# Altium PCB CATS-FAT_1..PcbDoc (part 2 of 2)
Units mil, origin at the board's own origin, x right, y up, seen from the top; angles counter-clockwise.
Board outline 3937.01 x 1299.21 mil, 4 copper layers (Top Layer, Mid Layer 1, Mid Layer 2, Bottom Layer), stack 61.811 mil thick; 165 components, 101 nets, 634 pads, 77 vias.
Unrouted connection lines stored in the file: 168.
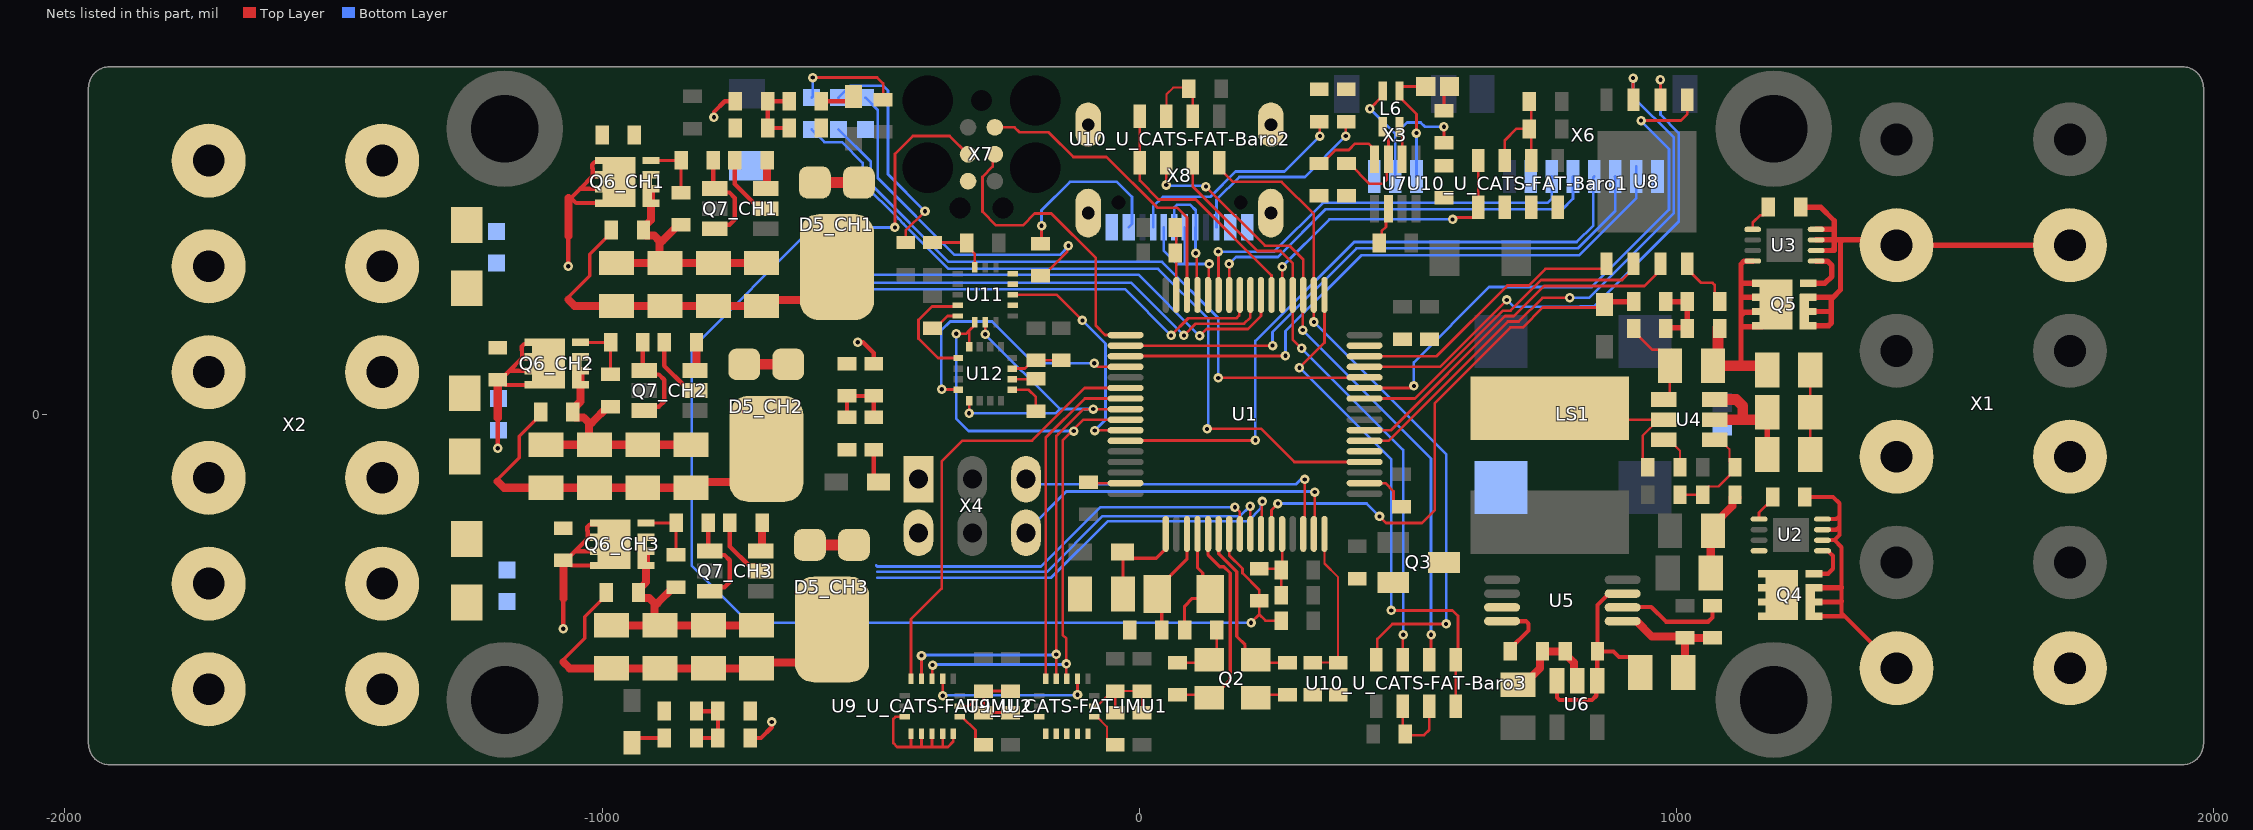
[diagram p2: the nets of this part, all layers, seen from the top]

## Via types
v1: diameter 17.72, hole 7.87, Top Layer to Bottom Layer, 77 vias

## Nets (pads, with @x,y where several pads share a name; then routed paths per layer and width w, separated by ;. In a path a pad name is that pad's centre, name@x,y a point inside that pad or via, vN(x,y) a via of type N, cw(c..) or ccw(c..) an arc to the next point about the centre after c; other vN are vias at no path point) (continued)
CS_BARO1: U1.37 U10_U_CATS-FAT-Baro1.4 U10_U_CATS-FAT-Baro1.5 | length 555.9
  Top Layer w5: U1.37@265.75,222.44 265.87,222.57 265.87,274.87 v1(266,275) ; v1(583,363) 586.44,363 590.11,366.67 621.59,366.67 630.91,375.98 U10_U_CATS-FAT-Baro1.5@630.91,385.83 U10_U_CATS-FAT-Baro1.4@630.91,472.44
  Bottom Layer w5: v1(266,275) 354,363 v1(583,363)
CS_BARO2: U1.38 U10_U_CATS-FAT-Baro2.4 U10_U_CATS-FAT-Baro2.5 | length 474.6
  Top Layer w5: U10_U_CATS-FAT-Baro2.4@0.98,555.12 U10_U_CATS-FAT-Baro2.5@0.98,468.5 0.98,435.02 36,400 105,400 246.06,258.94 U1.38@246.06,222.44
CS_BARO3: U1.33 U10_U_CATS-FAT-Baro3.4 U10_U_CATS-FAT-Baro3.5 | length 975.7
  Top Layer w5: v1(298,87) 344.49,133.49 U1.33@344.49,222.44 ; v1(469,-365) 583,-365 593,-375 593,-452.51 U10_U_CATS-FAT-Baro3.5@588.82,-456.69 U10_U_CATS-FAT-Baro3.4@588.82,-543.31
  Bottom Layer w5: v1(298,87) 469,-84 v1(469,-365)
CS_IMU1: U1.55 U9_U_CATS-FAT-IMU1.5 | length 627.7
  Top Layer w5: U9_U_CATS-FAT-IMU1.5@-174.37,-492.13 -174.37,-43.46 -101.38,29.53 U1.55@-25.59,29.53
CS_IMU2: U1.54 U9_U_CATS-FAT-IMU2.5 | length 827.1
  Top Layer w5: U9_U_CATS-FAT-IMU2.5@-425.2,-492.13 -425.2,-381.2 -368,-324 -368,-88 -329,-49 -200,-49 -101.79,49.21 U1.54@-25.59,49.21
CS_MAG: U1.52 U12.4 | length 526
  Top Layer w5: v1(-368,47) -367.45,46.45 -337.83,46.45 U12.4@-337.28,45.91 ; v1(-84,95) -77.58,88.58 U1.52@-25.59,88.58
  Bottom Layer w5: v1(-368,47) -369,48 -369,156 -352,173 -274,173 -196,95 v1(-84,95)
GND: C1.1 C2.1 C3.1 C4.1 C5.1 C6.1 C7.1 C8.1 C9.1 C10.1 C11.1 C12.1 C13.1 C14.1 C15.1 C16.1 C17.1 C19.1 C22.1 C23.1 C24.1 C25.1 C26.1 C27.1 C28.1 C29.1 C30.1 C31_CH1.1 C31_CH2.1 C31_CH3.1 C32_CH1.1 C32_CH2.1 C32_CH3.1 C33_CH1.1 C33_CH2.1 C33_CH3.1 C34_CH1.1 C34_CH2.1 C34_CH3.1 C35_CH1.1 C35_CH2.1 C35_CH3.1 C36.1 C37.1 C38.1 C39.1 C40_U_CATS-FAT-IMU1.1 C40_U_CATS-FAT-IMU2.1 C41_U_CATS-FAT-IMU1.1 C41_U_CATS-FAT-IMU2.1 C42_U_CATS-FAT-IMU1.1 C42_U_CATS-FAT-IMU2.1 C43_U_CATS-FAT-IMU1.1 C43_U_CATS-FAT-IMU2.1 C44_U_CATS-FAT-Baro1.1 C44_U_CATS-FAT-Baro2.1 C44_U_CATS-FAT-Baro3.1 C45.1 C46.1 C47.1 C48.1 C49.1 C50.1 JP1.1 P3.K P4_CH1.K P4_CH2.K P4_CH3.K Q2.3 Q3.S Q6_CH1.S Q6_CH2.S Q6_CH3.S Q7_CH1.3 Q7_CH2.3 Q7_CH3.3 R1.1 R6.1 R10.1 R11.1 R13.1 R17_CH1.1 R17_CH2.1 R17_CH3.1 R19_CH1.1 R19_CH2.1 R19_CH3.1 R20_CH1.1 R20_CH2.1 R20_CH3.1 R21_CH1.1 R21_CH2.1 R21_CH3.1 R23.1 R24.1 R25.2 R27.1 S2.2 U1.12 U1.18 U1.31 U1.47 U1.63 U2.5 U3.5 U4.4 U5.3 U5.5 U6.2 U7.2 U8.4 U9_U_CATS-FAT-IMU1.8 U9_U_CATS-FAT-IMU1.9 U9_U_CATS-FAT-IMU1.10 U9_U_CATS-FAT-IMU1.11 U9_U_CATS-FAT-IMU1.12 U9_U_CATS-FAT-IMU1.13 U9_U_CATS-FAT-IMU1.15 U9_U_CATS-FAT-IMU2.8 U9_U_CATS-FAT-IMU2.9 U9_U_CATS-FAT-IMU2.10 U9_U_CATS-FAT-IMU2.11 U9_U_CATS-FAT-IMU2.12 U9_U_CATS-FAT-IMU2.13 U9_U_CATS-FAT-IMU2.15 U10_U_CATS-FAT-Baro1.2 U10_U_CATS-FAT-Baro1.3 U10_U_CATS-FAT-Baro2.2 U10_U_CATS-FAT-Baro2.3 U10_U_CATS-FAT-Baro3.2 U10_U_CATS-FAT-Baro3.3 U11.5 U11.10 U11.12 U11.13 U11.16 U12.9 U12.11 X1.3 X3.1 X4.1 X4.2 X6.2 X6.8 X7.5 X8.A1B12 X8.B1A12 X8.G1 X8.G2 X8.G3 X8.G4 | length 5032.1
  Top Layer w4: U9_U_CATS-FAT-IMU1.15@-83.82,-543.31 -78.9,-543.31 -61.09,-525.5 -55.5,-525.5 C41_U_CATS-FAT-IMU1.1@-45,-515 ; C43_U_CATS-FAT-IMU1.1@-45,-555 C41_U_CATS-FAT-IMU1.1@-45,-515 ; C40_U_CATS-FAT-IMU1.1@5,-555 C42_U_CATS-FAT-IMU1.1@5,-515 C41_U_CATS-FAT-IMU1.1@-45,-515 ; U10_U_CATS-FAT-Baro2.3@50.2,555.12 50.2,595.47 62.99,608.27 90.08,608.27 C44_U_CATS-FAT-Baro2.1@92.05,606.3 99.41,598.94 U10_U_CATS-FAT-Baro2.2@99.41,555.12
  Top Layer w5: U9_U_CATS-FAT-IMU2.8@-437.01,-562.99 -453.99,-562.99 -458,-567 -458,-612 -451,-619 -385.83,-619 ; -425.2,-618 U9_U_CATS-FAT-IMU2.9@-425.2,-594.49 ; -405.51,-617.13 U9_U_CATS-FAT-IMU2.10@-405.51,-594.49 ; U9_U_CATS-FAT-IMU2.11@-385.83,-594.49 -385.83,-619 ; C45.1@-385,160 -380,160 -356.77,183.23 U11.5@-337.83,183.23 ; C46.1@-385,320 -322.76,320 C47.1@-321.65,318.9 -321.65,313.9 -306.34,298.58 U11.16@-306.34,273.78 ; U9_U_CATS-FAT-IMU2.12@-366.14,-594.49 -366,-594.63 -366,-616.61 ; U9_U_CATS-FAT-IMU2.13@-346.46,-594.49 -346.46,-609.25 -356.2,-619 -385.83,-619 ; U9_U_CATS-FAT-IMU2.15@-334.65,-543.31 -318.31,-543.31 -305,-530 -305,-525 -295,-515 C41_U_CATS-FAT-IMU2.1@-290,-515 ; C40_U_CATS-FAT-IMU2.1@-240,-555 C43_U_CATS-FAT-IMU2.1@-290,-555 C41_U_CATS-FAT-IMU2.1@-290,-515 ; C42_U_CATS-FAT-IMU2.1@-240,-515 C41_U_CATS-FAT-IMU2.1@-290,-515 ; U12.9@-236.89,45.91 -206.38,45.91 -192.6,32.13 C50.1@-192.6,6.06 ; U12.11@-236.89,85.28 -212.87,85.28 -197.6,100.55 C49.1@-192.6,100.55 C48.1@-145.35,100.55 ; C6.1@-94.49,-125.98 -92.52,-127.95 U1.63@-25.59,-127.95 ; C3.1@66.93,347.95 68.9,345.98 U1.47@68.9,222.44 ; C11.1@70.87,-462.13 124.49,-462.13 Q2.3@129.92,-456.69 144.17,-442.44 C10.1@144.17,-401.57 ; Q2.3@216.54,-527.56 221.97,-522.13 C12.1@275.59,-522.13 ; C13.1@223.13,-287.07 263.94,-287.07 C7.1@264,-287.01 ; C8.1@264,-336.76 C7.1@264,-289.51 C7.1@264,-287.01 ; U1.12@265.75,-222.44 265.75,-285.26 C7.1@264,-287.01 ; U1.18@419.29,-127.95 457.95,-127.95 473.19,-143.19 473.19,-161.73 483.19,-171.73 C4.1@488.19,-171.73 ; C38.1@446.38,318.9 451,323.52 451,341 459,349 459,378.29 U7.2@463.58,382.87 ; U10_U_CATS-FAT-Baro3.2@490.39,-543.31 490.39,-590.39 C44_U_CATS-FAT-Baro3.1@495,-595 497,-597 530,-597 539.61,-587.39 U10_U_CATS-FAT-Baro3.3@539.61,-543.31 ; U10_U_CATS-FAT-Baro1.3@680.12,472.44 680.12,510.12 701.5,531.5 C44_U_CATS-FAT-Baro1.1@725.91,531.5 ; C39.1@725.91,582.68 729.33,579.25 U10_U_CATS-FAT-Baro1.2@729.33,472.44 ; R10.1@920,160 920,155 954.45,120.55 967.56,120.55 987.56,100.55 C22.1@987.56,90.55 987.56,38.74 U4.4@976.38,27.56 ; U8.4@1019.88,280.51 1019.88,271.06 1045.95,245 1067,245 1071,241 1071,219 C25.1@1080,210 ; U3.5@1141.73,344.49 1141.73,356.77 1155.79,370.83 1160.79,370.83 1170.79,380.83 C17.1@1170.79,385.83 ; U2.5@1153.54,-194.88 1153.54,-182.46 1167.46,-168.54 1168.66,-168.54 1176.69,-160.51 C14.1@1176.69,-151.57 ; C15.1@1248.66,-74.8 C16.1@1248.66,3.94 C19.1@1248.66,82.68
  Top Layer w15: C31_CH2.1@-1104.35,-56.54 C32_CH2.1@-1014.35,-56.54 ; Q6_CH2.S@-1047.06,80.98 -1040.43,80.98 -1040.06,80.61 Q6_CH2.S@-1040.06,54.84 -1040.06,23.7 -1054.35,9.41 R17_CH2.1@-1054.35,4.41 -1054.35,-0.59 -1049.35,-5.59 -1034.35,-5.59 -1024.35,-15.59 ; R19_CH2.1@-984.35,14.41 -989.35,14.41 -1019.35,-15.59 -1024.35,-15.59 ; C31_CH3.1@-982.3,-392.6 C32_CH3.1@-892.3,-392.6 ; C31_CH1.1@-972.99,282.02 C32_CH1.1@-882.99,282.02 ; Q6_CH3.S@-925.01,-255.09 -918.38,-255.09 -918.01,-255.45 Q6_CH3.S@-918.01,-281.22 -918.01,-312.36 -932.3,-326.65 R17_CH3.1@-932.3,-331.65 -932.3,-336.65 -927.3,-341.65 -912.3,-341.65 -902.3,-351.65 ; Q6_CH1.S@-915.7,419.53 -909.07,419.53 -908.7,419.16 Q6_CH1.S@-908.7,393.39 -908.7,362.25 -922.99,347.96 R17_CH1.1@-922.99,342.96 -922.99,337.96 -917.99,332.96 -902.99,332.96 -892.99,322.96 ; R19_CH3.1@-862.3,-321.65 -867.3,-321.65 -897.3,-351.65 -902.3,-351.65 ; R19_CH1.1@-852.99,352.96 -857.99,352.96 -887.99,322.96 -892.99,322.96 ; C34_CH2.1@-834.35,-56.54 C33_CH2.1@-924.35,-56.54 C32_CH2.1@-1014.35,-56.54 ; Q7_CH2.3@-827.11,81.81 -824.35,84.57 R20_CH2.1@-824.35,134.41 ; C34_CH3.1@-712.3,-392.6 C33_CH3.1@-802.3,-392.6 C32_CH3.1@-892.3,-392.6 ; Q7_CH3.3@-705.06,-254.25 -702.3,-251.5 R20_CH3.1@-702.3,-201.65 ; C34_CH1.1@-702.99,282.02 C33_CH1.1@-792.99,282.02 C32_CH1.1@-882.99,282.02 ; Q7_CH1.3@-695.75,420.36 -692.99,423.12 R20_CH1.1@-692.99,472.96 ; C30.1@704.72,-503.31 714.72,-503.31 745.47,-472.56 745.47,-445.94 R13.1@750.47,-440.94 C26.1@792.83,-440.94 792.83,-445.94 808.68,-461.79 808.68,-489.78 U6.2@814.96,-496.06 ; U5.5@899.61,-384.84 925.2,-384.84 953.74,-413.39 1013.31,-413.39 C27.1@1015.75,-415.83 ; C29.1@1012.44,-480.32 1015.75,-477.01 C27.1@1015.75,-415.83 ; C24.1@1063.62,-295.28 1063.62,-220.47 C23.1@1067.56,-216.54 1067.56,-206.54 1103.74,-170.35 1103.74,-154.61 R11.1@1108.74,-149.61 R11.1@1113.74,-154.61 ; C28.1@1066.93,-415.83 C27.1@1015.75,-415.83 ; -1024.35,-15.59 -1024.35,-46.54 C32_CH2.1@-1014.35,-56.54 ; -902.3,-351.65 -902.3,-382.6 C32_CH3.1@-892.3,-392.6 ; -892.99,322.96 -892.99,292.02 C32_CH1.1@-882.99,282.02
INT_ACCEL: U1.58 U11.11 | length 437.9
  Top Layer w5: U11.11@-235.47,222.6 -153.6,222.6 v1(-106,175) ; v1(-83,-30) -82.76,-29.76 -25.83,-29.76 U1.58@-25.59,-29.53
  Bottom Layer w5: v1(-106,175) -63,132 -63,-10 v1(-83,-30)
IO1: U1.59 X6.5 | length 1236.7
  Top Layer w5: U1.59@-25.59,-49.21 -24.98,-48.61 215.39,-48.61 v1(216,-48)
  Bottom Layer w5: v1(216,-48) 216,137 400,321 814,321 845,352 845,441.46 X6.5@846.46,442.91
IO2: U1.50 X6.6 | length 1095.2
  Top Layer w5: U1.50@-25.57,127.98 v1(248,128)
  Bottom Layer w5: v1(248,128) 248,153 404,309 816,309 885.83,378.83 X6.6@885.83,442.91 X6.6@885,442.09
IO3: U1.51 X6.7 | length 1158.3
  Top Layer w5: U1.51@-25.59,108.27 -25.22,108.63 271.63,108.63 v1(272,109)
  Bottom Layer w5: v1(272,109) 272,155 413,296 818,296 925.2,403.2 X6.7@925.2,442.91 X6.7@925.2,461.61
LED1: P2.K U1.20 | length 1430.7
  Top Layer w5: v1(126,-27) 227,-27 288.58,-88.58 U1.20@419.29,-88.58
  Bottom Layer w5: P2.K@-610,530.47 -586.25,506.72 -553.72,506.72 -515,468 -515,431 -448.36,364.36 -448.22,364.36 -438.64,354.78 -438.64,354.64 -355,271 35,271 128.36,177.64 128.36,-24.64 v1(126,-27)
LED2: P1.K U1.28 | length 1261
  Top Layer w5: v1(147,68) 417.29,68 418.74,69.45 U1.28@419.29,68.9
  Bottom Layer w5: P1.K@-560,530.47 -500,470.47 -500,429 -355,284 42,284 147,179 v1(147,68)
NetC1_2: C1.2 D1.K U1.1 | length 198
  Top Layer w6: D1.K@-31.5,-255.91 D1.K@-30.24,-257.17 ; C1.2@-30.24,-334.65 D1.K@-30.24,-257.17 ; U1.1@49.21,-222.44 49.21,-250 31.5,-267.72 -19.69,-267.72 D1.K@-30.24,-257.17
NetC9_2: C9.2 Q1.1 U1.3 | length 205.4
  Top Layer w6: C9.2@41.81,-401.57 41.81,-342.99 Q1.1@33.46,-334.65 33.46,-324.8 88.58,-269.69 U1.3@88.58,-222.44
NetC10_2: C10.2 Q1.2 U1.4 | length 223.7
  Top Layer w6: C10.2@84.17,-401.57 84.17,-356.77 98.43,-342.52 124.02,-342.52 Q1.2@131.89,-334.65 118.11,-320.87 118.11,-295.28 108.27,-285.43 U1.4@108.27,-222.44
NetC11_2: C11.2 Q2.1 U1.5 | length 408
  Top Layer w5: C11.2@70.87,-522.13 124.49,-522.13 Q2.1@129.92,-527.56
  Top Layer w6: U1.5@127.95,-222.44 127.95,-261.95 149.46,-283.46 157.48,-283.46 169.29,-295.28 169.29,-494.09 135.83,-527.56 Q2.1@129.92,-527.56
NetC12_2: C12.2 Q2.2 U1.6 | length 324.7
  Top Layer w5: Q2.2@215.5,-456.69 220.94,-462.13 C12.2@275.59,-462.13
  Top Layer w6: U1.6@147.64,-222.44 147.64,-259.48 181.1,-292.94 181.1,-413.39 196.85,-429.13 196.85,-438.04 Q2.2@215.5,-456.69
NetC14_2: C14.2 Q4.S U2.2 U2.3 U2.4 X1.1 | length 678.3
  Top Layer w7.87: C14.2@1238.66,-153.54 1291.34,-153.54 1303.15,-165.35 1303.15,-188.98 ; Q4.S@1255.91,-375.59 1312.6,-375.59 ; U2.2@1271.65,-234.25 1272.03,-233.88 1293.68,-233.88 ; U2.3@1271.65,-214.57 1297.24,-214.57 1303.15,-208.66 ; U2.4@1271.65,-194.88 1297.24,-194.88 1303.15,-188.98 ; X1.1@1409.45,-472.44 1312.6,-375.59 ; 1293.68,-233.88 1307.09,-247.28 1307.09,-322 1307.09,-348 1307.09,-370.08 1312.6,-375.59 ; 1293.68,-233.88 1303.15,-224.41 1303.15,-208.66 ; 1303.15,-208.66 1303.15,-188.98
  Top Layer w10: Q4.S@1255.91,-349.21 1305.87,-349.21 1307.09,-348 ; Q4.S@1255.91,-322.83 1306.25,-322.83 1307.09,-322
NetC17_2: C17.2 Q5.S U3.2 U3.3 U3.4 X1.5 | length 975.7
  Top Layer w10: C17.2@1230.79,385.83 1268.17,385.83 1293.51,360.49 1293.51,344.49 ; Q5.S@1245.08,165.16 1283.14,165.16 1288,170.02 1288,191.54 ; Q5.S@1245.08,191.54 1288,191.54 ; Q5.S@1245.08,217.91 1290.91,217.91 ; U3.2@1259.84,305.12 1289.14,305.12 ; U3.3@1259.84,324.8 1293.51,324.8 ; U3.4@1259.84,344.49 1293.51,344.49 ; X1.5@1732.28,314.96 X1.5@1409.45,314.96 1399.61,324.8 1308.83,324.8 ; 1288,191.54 1288,215 1290.91,217.91 ; 1289.14,305.12 1293.51,309.49 ; 1289.14,305.12 1293.51,305.12 1293.51,309.49 ; 1290.91,217.91 1305,232 1305,320.98 1308.83,324.8 ; 1293.51,309.49 1293.51,324.8 ; 1293.51,324.8 1308.83,324.8 ; 1293.51,324.8 1293.51,344.49
NetC20_1: C20.1 U4.6 | length 69.4
  Top Layer w4: U4.6@976.38,-47.24 986.22,-47.24 1006.38,-67.4 C20.1@1006.38,-98.43
NetC20_2: C20.2 L3.1 U4.5 | length 326.3
  Top Layer w4: L3.1@763.78,11.81 785.43,-9.84 U4.5@966.54,-9.84 ; C20.2@946.38,-98.43 937.01,-89.06 937.01,-39.37 U4.5@966.54,-9.84 ; U4.5@976.38,-9.84 U4.5@966.54,-9.84
NetC21_1: C21.1 R8.1 R11.2 U4.1 | length 202.1
  Top Layer w4: R8.1@1006.38,-149.61 R11.2@1048.74,-149.61 1048.74,-144.61 1059.24,-134.11 1078.06,-134.11 1108.74,-103.43 C21.1@1108.74,-98.43 1098.24,-87.93 1098.24,-64.78 1080.71,-47.24 U4.1@1070.87,-47.24
NetC25_2: C25.2 R7.1 R9.2 R10.2 | length 128.4
  Top Layer w10: R10.2@978.82,161.42 R7.1@1017.24,161.42 ; R9.2@980,210 C25.2@1020,210 R7.1@1020,160
NetC26_2: C26.2 C29.2 U5.7 U6.1 U6.3 | length 436.2
  Top Layer w7.87: U6.3@777.56,-496.06 777.56,-526.88 782.17,-531.5 842.52,-531.5 850.39,-523.62 850.39,-498.03 U6.1@852.36,-496.06 C26.2@852.36,-441.42 ; U5.7@899.61,-333.66 874.02,-333.66 852.83,-354.84 C26.2@852.83,-440.94 C26.2@852.36,-441.42 ; C29.2@932.44,-480.32 932.44,-470.32 913.88,-451.75 892.8,-451.75 882.47,-441.42 C26.2@852.36,-441.42
NetC35_CH1_2: C35_CH1.2 R15_CH1.1 R18_CH1.2 R21_CH1.2 | length 130
  Top Layer w8: C35_CH1.2@-651.87,532.94 R21_CH1.2@-691.87,532.94 R15_CH1.1@-691.87,582.94 R18_CH1.2@-651.87,582.94
NetC35_CH2_2: C35_CH2.2 R15_CH2.1 R18_CH2.2 R21_CH2.2 | length 130
  Top Layer w8: C35_CH2.2@-544.35,-5.59 R21_CH2.2@-544.35,34.41 R15_CH2.1@-494.35,34.41 R18_CH2.2@-494.35,-5.59
NetC35_CH3_2: C35_CH3.2 R15_CH3.1 R18_CH3.2 R21_CH3.2 | length 130
  Top Layer w8: R18_CH3.2@-824.41,-602.36 R15_CH3.1@-784.41,-602.36 R21_CH3.2@-784.41,-552.36 C35_CH3.2@-824.41,-552.36
NetC36_2: C36.2 L6.1 U7.6 | length 62.1
  Top Layer w5: L6.1@484.25,535.43 489.17,530.51 U7.6@489.17,475.39
NetC37_2: C37.2 L6.4 U7.7 | length 197.9
  Top Layer w5: C37.2@385.83,467.01 390.83,467.01 428.7,429.13 452.76,429.13 460.63,437.01 460.63,472.44 U7.7@463.58,475.39 463.58,514.76 452.76,525.59 L6.4@452.76,535.43
NetC43_U_CATS-FAT-IMU1_2: C43_U_CATS-FAT-IMU1.2 U9_U_CATS-FAT-IMU1.14 | length 73.9
  Top Layer w4: U9_U_CATS-FAT-IMU1.14@-83.82,-562.99 -78.9,-562.99 -60.5,-581.39 -60.5,-604.5 -50,-615 C43_U_CATS-FAT-IMU1.2@-45,-615
NetC43_U_CATS-FAT-IMU2_2: C43_U_CATS-FAT-IMU2.2 U9_U_CATS-FAT-IMU2.14 | length 76.3
  Top Layer w5: U9_U_CATS-FAT-IMU2.14@-334.65,-562.99 -329.72,-562.99 -305,-587.72 -305,-605 -295,-615 C43_U_CATS-FAT-IMU2.2@-290,-615
NetC50_2: C50.2 U12.10 | length 44.5
  Top Layer w5: U12.10@-236.89,65.59 -193.07,65.59 C50.2@-192.6,66.06
NetJP6_1: JP6.1 L6.2 X3.3 | length 226.1
  Top Layer w5: v1(515.75,523.62) 515.75,559.06 484.25,590.55 L6.2@484.25,602.36 484.25,604.86 489.63,610.24 JP6.1@533.12,610.24
  Bottom Layer w5: X3.3@515.75,442.91 v1(515.75,523.62)
NetJP6_2: JP6.2 R26.2 | length 49
  Top Layer w5: R26.2@566.93,565.43 566.93,600.05 JP6.2@577.12,610.24
NetL6_3: L6.3 R26.1 X3.2 | length 326.6
  Top Layer w5: v1(429.13,568.9) 452.76,592.52 L6.3@452.76,602.36 ; R26.1@561.93,505.43 R26.1@566.93,505.43 v1(566.93,535.43)
  Bottom Layer w5: v1(429.13,568.9) 476.38,521.65 ; X3.2@476.38,442.91 476.38,521.65 ; v1(566.93,535.43) 531.5,535.43 523.62,543.31 498.03,543.31 476.38,521.65
NetLS1_2: LS1.2 Q3.D
NetP1_A: P1.A R3.1 | length 431.3
  Top Layer w5: R3.1@-435,320 -435,342 v1(-399,378)
  Bottom Layer w5: P1.A@-560,589.53 -537.75,611.78 -476.78,611.78 -468,603 -468,447 v1(-399,378)
NetP2_A: P2.A R4.1 | length 203.9
  Top Layer w5: v1(-608,627) -488,627 -477,616 R4.1@-477,586
  Bottom Layer w5: P2.A@-610,589.53 -608,591.53 v1(-608,627)
NetP3_A: P3.A R12.1 | length 661.4
  Top Layer w5: R12.1@-184,258 -179,258 -134.43,302.57 -134.43,311.57 v1(-132,314)
  Bottom Layer w5: P3.A@-510,589.53 -487,566.53 -487,440 -344,297 -148,297 -132,313 v1(-132,314)
NetP4_CH1_A: P4_CH1.A R14_CH1.1
NetP4_CH2_A: P4_CH2.A R14_CH2.1
NetP4_CH3_A: P4_CH3.A R14_CH3.1
NetQ4_G: Q4.G U2.1 | length 86.8
  Top Layer w7.87: Q4.G@1255.91,-296.46 1282.28,-296.46 1291.34,-287.4 1291.34,-263.33 1281.95,-253.94 U2.1@1271.66,-253.94
NetQ5_G: Q5.G U3.1 | length 101.9
  Top Layer w10: Q5.G@1245.08,244.29 1276.29,244.29 1289,257 1289,277.14 1280.79,285.35 1259.93,285.35 U3.1@1259.85,285.43
NetQ6_CH1_G: Q6_CH1.G R16_CH1.1 R19_CH1.2 | length 115
  Top Layer w6: Q6_CH1.G@-908.7,472.53 -853.43,472.53 -852.99,472.1 R19_CH1.2@-852.99,412.96
NetQ6_CH2_G: Q6_CH2.G R16_CH2.1 R19_CH2.2 | length 115
  Top Layer w6: Q6_CH2.G@-1040.06,133.98 -984.78,133.98 -984.35,133.54 R19_CH2.2@-984.35,74.41
NetQ6_CH3_G: Q6_CH3.G R16_CH3.1 R19_CH3.2 | length 115
  Top Layer w6: Q6_CH3.G@-918.01,-202.09 -862.74,-202.09 -862.3,-202.52 R19_CH3.2@-862.3,-261.65
NetQ7_CH1_4: Q7_CH1.4 Q7_CH1.6 R16_CH1.2 | length 182.6
  Top Layer w8: R16_CH1.2@-792.99,472.96 -792.99,423.12 Q7_CH1.4@-790.24,420.36 -782.83,412.96 -762.99,412.96 -752.99,402.96 -752.99,362.96 -762.99,352.96 -782.83,352.96 Q7_CH1.6@-790.24,345.56
NetQ7_CH2_4: Q7_CH2.4 Q7_CH2.6 R16_CH2.2 | length 182.6
  Top Layer w8: R16_CH2.2@-924.35,134.41 -924.35,84.57 Q7_CH2.4@-921.59,81.81 -914.19,74.41 -894.35,74.41 -884.35,64.41 -884.35,24.41 -894.35,14.41 -914.19,14.41 Q7_CH2.6@-921.59,7.01
NetQ7_CH3_4: Q7_CH3.4 Q7_CH3.6 R16_CH3.2 | length 182.6
  Top Layer w8: R16_CH3.2@-802.3,-201.65 -802.3,-251.5 Q7_CH3.4@-799.55,-254.25 -792.15,-261.65 -772.3,-261.65 -762.3,-271.65 -762.3,-311.65 -772.3,-321.65 -792.15,-321.65 Q7_CH3.6@-799.55,-329.06
NetR13_2: R13.2 U5.4 | length 116.5
  Top Layer w7.87: U5.4@675.2,-384.84 719.49,-384.84 724.41,-389.76 724.41,-402.01 690.47,-435.94 R13.2@690.47,-440.94
NetR23_2: R23.2 X8.B5 | length 368
  Top Layer w5: v1(384,518) 384,544 R23.2@385,545
  Bottom Layer w5: X8.B5@143.7,348.43 143.7,399.7 186,442 308,442 v1(384,518)
NetR24_2: R24.2 X8.A5 | length 430.4
  Top Layer w5: R24.2@335,545 336,544 v1(336,518)
  Bottom Layer w5: X8.A5@25.59,348.43 25.59,386.59 44,405 132,405 179,452 270,452 v1(336,518)
NetR27_2: R27.2 U7.8 | length 140.6
  Top Layer w5: R27.2@334.65,467.01 339.65,467.01 364.76,492.13 389.76,492.13 401.57,503.94 426.77,503.94 437.99,492.72 U7.8@437.99,475.39
PH1: C31_CH1.2 C32_CH1.2 C33_CH1.2 C34_CH1.2 D4_CH1.K D5_CH1.K R17_CH1.2 X2.2 | length 697
  Top Layer w6: -1062.99,213.91 -1062.99,217.84 -1022.99,257.84 -1022.99,297.96 -982.99,337.96 R17_CH1.2@-982.99,342.96
  Top Layer w15: -1062.99,213.91 -1051.1,202.02 C31_CH1.2@-972.99,202.02 C32_CH1.2@-882.99,202.02 C33_CH1.2@-792.99,202.02 C34_CH1.2@-702.99,202.02 -692.05,212.96 -624.25,212.96 D5_CH1.K@-562.99,274.22
PH2: C31_CH2.2 C32_CH2.2 C33_CH2.2 C34_CH2.2 D4_CH2.K D5_CH2.K R17_CH2.2 X2.4 | length 697
  Top Layer w6: -1194.35,-124.65 -1194.35,-120.71 -1154.35,-80.71 -1154.35,-40.59 -1114.35,-0.59 R17_CH2.2@-1114.35,4.41
  Top Layer w15: -1194.35,-124.65 -1182.46,-136.54 C31_CH2.2@-1104.35,-136.54 C32_CH2.2@-1014.35,-136.54 C33_CH2.2@-924.35,-136.54 C34_CH2.2@-834.35,-136.54 -823.41,-125.59 -755.61,-125.59 D5_CH2.K@-694.35,-64.33
PH3: C31_CH3.2 C32_CH3.2 C33_CH3.2 C34_CH3.2 D4_CH3.K D5_CH3.K R17_CH3.2 X2.6 | length 697
  Top Layer w6: -1072.3,-460.71 -1072.3,-456.77 -1032.3,-416.77 -1032.3,-376.65 -992.3,-336.65 R17_CH3.2@-992.3,-331.65
  Top Layer w15: -1072.3,-460.71 -1060.41,-472.6 C31_CH3.2@-982.3,-472.6 C32_CH3.2@-892.3,-472.6 C33_CH3.2@-802.3,-472.6 C34_CH3.2@-712.3,-472.6 -701.36,-461.65 -633.56,-461.65 D5_CH3.K@-572.3,-400.39
PL1: D4_CH1.A Q6_CH1.D R14_CH1.2 R15_CH1.2 X2.1 | length 424
  Top Layer w8: v1(-1062.99,275.59) -1062.99,332.02 ; -1062.99,402.96 -1057.99,402.96 ; Q6_CH1.D@-997.28,393.39 -1048.43,393.39 -1057.99,402.96 ; Q6_CH1.D@-997.28,419.77 -1041.18,419.77 ; Q6_CH1.D@-997.28,446.15 -1000.17,443.26 -1017.69,443.26 ; Q6_CH1.D@-997.28,472.53 -1000.17,469.64 -1013.67,469.64 -1018.36,464.95 -1018.36,458.32 -1017.69,457.66 -1017.69,443.26 ; v1(-791.87,552.94) -791.87,562.94 -771.87,582.94 R15_CH1.2@-751.87,582.94 ; -1057.99,402.96 -1041.18,419.77 ; -1041.18,419.77 -1017.69,443.26
  Top Layer w15: -1062.99,332.02 -1062.99,402.96
PL2: D4_CH2.A Q6_CH2.D R14_CH2.2 R15_CH2.2 X2.3 | length 424
  Top Layer w8: v1(-1194.35,-62.96) -1194.35,-6.54 ; R14_CH2.2@-1194.35,64.41 R14_CH2.2@-1189.35,64.41 ; Q6_CH2.D@-1128.64,54.84 -1179.78,54.84 R14_CH2.2@-1189.35,64.41 ; Q6_CH2.D@-1128.64,81.22 -1172.54,81.22 ; Q6_CH2.D@-1128.64,107.6 -1131.53,104.71 -1149.05,104.71 ; Q6_CH2.D@-1128.64,133.98 -1131.53,131.09 -1145.03,131.09 -1149.71,126.4 -1149.71,119.77 -1149.05,119.11 -1149.05,104.71 ; v1(-524.35,134.41) -514.35,134.41 -494.35,114.41 R15_CH2.2@-494.35,94.41 ; R14_CH2.2@-1189.35,64.41 -1172.54,81.22 ; -1172.54,81.22 -1149.05,104.71
  Top Layer w15: -1194.35,-6.54 R14_CH2.2@-1194.35,64.41
PL3: D4_CH3.A Q6_CH3.D R14_CH3.2 R15_CH3.2 X2.5 | length 424
  Top Layer w8: v1(-1072.3,-399.02) -1072.3,-342.6 ; R14_CH3.2@-1072.3,-271.65 R14_CH3.2@-1067.3,-271.65 ; Q6_CH3.D@-1006.59,-281.22 -1057.74,-281.22 R14_CH3.2@-1067.3,-271.65 ; Q6_CH3.D@-1006.59,-254.84 -1050.49,-254.84 ; Q6_CH3.D@-1006.59,-228.46 -1009.48,-231.35 -1027,-231.35 ; Q6_CH3.D@-1006.59,-202.09 -1009.48,-204.98 -1022.98,-204.98 -1027.67,-209.66 -1027.67,-216.29 -1027,-216.95 -1027,-231.35 ; R15_CH3.2@-724.41,-602.36 -704.41,-602.36 -684.41,-582.36 v1(-684.41,-572.36) ; R14_CH3.2@-1067.3,-271.65 -1050.49,-254.84 ; -1050.49,-254.84 -1027,-231.35
  Top Layer w15: -1072.3,-342.6 R14_CH3.2@-1072.3,-271.65
PYRO1: Q7_CH1.2 R20_CH1.2 U1.41 | length 959.1
  Top Layer w5: v1(59,147) 91,179 181,179 185.7,183.7 185.7,221.14 U1.41@187.01,222.44
  Top Layer w8: R20_CH1.2@-752.99,472.96 -752.99,428.89 -716.84,392.74 -705.53,392.74 Q7_CH1.2@-695.75,382.96
  Bottom Layer w5: -563,233 -27,233 v1(59,147)
PYRO2: Q7_CH2.2 R20_CH2.2 U1.40 | length 992.3
  Top Layer w5: v1(83,147) 105,169 195,169 206.69,180.69 U1.40@206.69,222.44
  Top Layer w8: R20_CH2.2@-884.35,134.41 -884.35,90.34 -848.2,54.19 -836.89,54.19 Q7_CH2.2@-827.11,44.41
  Bottom Layer w5: -569,245 -15,245 v1(83,147)
PYRO3: Q7_CH3.2 R20_CH3.2 U1.39 | length 1028.7
  Top Layer w5: v1(112,146) 125,159 202.38,159 226.38,182.99 U1.39@226.38,222.44
  Top Layer w8: R20_CH3.2@-762.3,-201.65 -762.3,-245.72 -726.15,-281.87 -714.84,-281.87 Q7_CH3.2@-705.06,-291.65
  Bottom Layer w5: -580,260 -2,260 v1(112,146)
QSPI_CLK: U1.29 U8.6 | length 1022.5
  Top Layer w5: U1.29@419.29,88.58 559.58,88.58 v1(684,213) ; U8.6@969.88,585.63 970,585.75 v1(970,623)
  Bottom Layer w5: v1(684,213) 696.36,200.64 819.93,200.64 820.29,201 846,201 1004,359 1004,518.73 1003.93,518.8 1003.93,524.07 970,558 v1(970,623)
QSPI_IO0: U1.27 U8.5 | length 1035.1
  Top Layer w5: U1.27@419.29,49.21 503.77,49.21 507.56,53 v1(511,53) ; v1(934,547) 1008,547 1020,559 1020,585.51 U8.5@1019.88,585.63
  Bottom Layer w5: v1(511,53) 511,97 651,237 842,237 986,381 986,494 934,546 v1(934,547)
QSPI_IO1: U1.26 U8.2 | length 610.1
  Top Layer w5: U1.26@419.29,29.53 513.26,29.53 676.73,193 690.73,193 747.73,250 898.82,250 919.88,271.06 U8.2@919.88,280.51
QSPI_IO2: U1.23 U8.3 | length 674.1
  Top Layer w5: U1.23@419.29,-29.53 468.47,-29.53 681,183 697,183 753.17,239.17 940.35,239.17 U8.3@969.88,268.7
QSPI_IO3: U1.22 U8.7 | length 1074.6
  Top Layer w5: U1.22@419.29,-49.21 463.79,-49.21 686,173 706,173 750,217 v1(801,217) ; v1(919,626) 919,586.51 U8.7@919.88,585.63
  Bottom Layer w5: v1(801,217) 837,217 995,375 995,515 919,591 v1(919,626)
QSPI_NCS: U1.30 U8.1 | length 527.5
  Top Layer w5: U1.30@419.29,108.27 553.27,108.27 685,240 725,240 756.06,271.06 869.88,271.06 U8.1@869.88,280.51
RST: C13.2 R2.1 U1.7 X7.3 | length 2504.2
  Top Layer w5: v1(-455,348) -455,485 -421.65,518.35 -352.99,518.35 X7.3@-318.9,484.25 ; U1.7@168.31,-221.46 U1.7@167.32,-222.44 167.32,-262.32 192,-287 192,-295.47 223.13,-326.6 C13.2@223.13,-347.07 223.13,-372.19 ; v1(208,-388) 208,-387.32 223.13,-372.19 ; R2.1@264,-384 234.94,-384 223.13,-372.19
  Bottom Layer w5: v1(-455,348) -608,348 -833,123 -833,-282 -727,-388 v1(208,-388)
SERVO1: U1.14 X4.5 | length 629.3
  Top Layer w5: U1.14@305.12,-222.44 308,-219.56 v1(308,-121)
  Bottom Layer w5: X4.5@-211.02,-120.47 -201.5,-130 291.42,-130 300.42,-121 v1(308,-121)
SERVO2: U1.15 X4.6 | length 649.5
  Top Layer w5: U1.15@324.8,-222.44 326.48,-220.76 v1(326.48,-144.48)
  Bottom Layer w5: X4.6@-211.02,-220.47 -211.02,-218.56 -136.11,-143.64 325.64,-143.64 v1(326.48,-144.48)
SPI1_MISO: U1.56 U9_U_CATS-FAT-IMU1.4 U9_U_CATS-FAT-IMU2.4 U11.7 U12.5 | length 1373.5
  Top Layer w5: U9_U_CATS-FAT-IMU2.4@-405.51,-492.13 v1(-405.51,-448.82) ; v1(-317,2) -316.81,2.19 -316.81,25.04 U12.5@-316.61,25.24 ; v1(-287,149) -286.65,149.35 U11.7@-286.65,171.42 ; U9_U_CATS-FAT-IMU1.4@-154.68,-492.13 -154.68,-40.51 -150.79,-36.61 -104.33,9.84 U1.56@-25.59,9.84
  Bottom Layer w5: v1(-405.51,-448.82) -404.53,-447.83 -155.51,-447.83 v1(-154.53,-446.85) ; v1(-317,2) -156,2 -148,10 ; v1(-287,149) -148,10 ; v1(-86,10) -148,10
SPI1_MOSI: U1.57 U9_U_CATS-FAT-IMU1.3 U9_U_CATS-FAT-IMU2.3 U11.6 U12.16 | length 1319.5
  Top Layer w5: U9_U_CATS-FAT-IMU2.3@-385.83,-492.13 -385.33,-491.63 -385.33,-467.03 v1(-384.84,-466.54) ; v1(-341,150) -322.83,150 -316.61,156.22 ; U12.16@-316.61,125.63 -316.61,156.22 ; U11.6@-306.34,171.42 -306.34,166.5 -316.61,156.22 ; U9_U_CATS-FAT-IMU1.3@-135,-492.13 -135.83,-491.3 v1(-135.83,-464.57) -135.83,-417.32 -142.72,-410.43 -142.72,-48.23 -104.33,-9.84 U1.57@-25.59,-9.84
  Bottom Layer w5: v1(-384.84,-466.54) -383.86,-465.55 -136.81,-465.55 v1(-135.83,-464.57) ; v1(-341,150) -341,-8 -318,-31 v1(-122,-31)
SPI1_SCK: U1.21 U9_U_CATS-FAT-IMU1.2 U9_U_CATS-FAT-IMU2.2 U11.4 U12.1 | length 520.8
  Top Layer w5: v1(-366.14,-523.62) U9_U_CATS-FAT-IMU2.2@-366.14,-492.13 ; U11.4@-337.83,202.91 -339.75,201 -386,201 -411,176 -411,141 -374.96,104.96 U12.1@-337.28,104.96 ; U9_U_CATS-FAT-IMU1.2@-115.32,-492.13 -115.24,-492.2 -115.24,-521.57 v1(-115.16,-521.65)
  Bottom Layer w5: v1(-366.14,-523.62) -365.16,-522.64 -116.14,-522.64 v1(-115.16,-521.65)
SPI2_MISO: U1.35 U10_U_CATS-FAT-Baro1.6 U10_U_CATS-FAT-Baro2.6 U10_U_CATS-FAT-Baro3.6 | length 1200
  Top Layer w5: v1(50,427) 50,468.31 U10_U_CATS-FAT-Baro2.6@50.2,468.5 ; v1(124,424) 124,423.52 233.52,314 279,314 305.12,287.88 U1.35@305.12,222.44 304,221.32 v1(304,157) ; U10_U_CATS-FAT-Baro3.6@539.61,-456.69 543,-453.3 v1(543,-410)
  Bottom Layer w5: v1(50,427) 51.5,425.5 122.5,425.5 v1(124,424) ; v1(304,157) 543,-82 v1(543,-410)
SPI2_MOSI: U1.36 U10_U_CATS-FAT-Baro1.7 U10_U_CATS-FAT-Baro2.7 U10_U_CATS-FAT-Baro3.7 | length 1112.8
  Top Layer w5: U10_U_CATS-FAT-Baro2.7@99.41,468.5 99.41,424.59 220,304 263,304 285.43,281.57 U1.36@285.43,222.44 285.43,139.57 v1(302,123) ; U10_U_CATS-FAT-Baro3.7@490.39,-456.69 490.39,-410.61 v1(491,-410)
  Bottom Layer w5: v1(302,123) 491,-66 v1(491,-410)
SPI2_SCK: U1.34 U10_U_CATS-FAT-Baro1.8 U10_U_CATS-FAT-Baro2.8 U10_U_CATS-FAT-Baro3.8 | length 1265.7
  Top Layer w5: U10_U_CATS-FAT-Baro2.8@148.62,468.5 148.62,458.66 174.28,433 265,433 324.8,373.2 U1.34@324.8,222.44 324.9,222.34 324.9,172.1 v1(325,172) ; U10_U_CATS-FAT-Baro3.8@441.18,-456.69 443,-454.87 443,-417.87 470.87,-390 v1(571,-390)
  Bottom Layer w5: v1(325,172) 571,-74 v1(571,-390)
SWCLK: U1.49 X7.4 | length 570.1
  Top Layer w5: X7.4@-268.9,484.25 -272.99,480.16 -272.99,461.26 -292,442.25 -292,377.31 -266.69,352 -217,352 -195,374 -164,374 -81,291 -81,165 -63.64,147.64 U1.49@-25.59,147.64
SWDIO: U1.46 X7.2 | length 571
  Top Layer w5: X7.2@-268.9,534.25 -232.48,534.25 -223.39,525.16 -169.08,525.16 -122.92,479 -61,479 33.3,384.7 70.3,384.7 88.58,366.42 U1.46@88.58,222.44
UART1_RX: U1.43 X6.3 | length 783.7
  Top Layer w5: v1(147,303) 147.32,302.68 147.32,222.76 U1.43@147.64,222.44
  Bottom Layer w5: v1(147,303) 251,303 341.7,393.7 759.84,393.7 767.72,401.57 X6.3@767.72,442.91
UART1_TX: U1.42 X6.4 | length 789.5
  Top Layer w5: v1(167,280) 167.16,279.84 167.16,222.6 U1.42@167.32,222.44
  Bottom Layer w5: v1(167,280) 180,293 258,293 346.89,381.89 787.4,381.89 807.09,401.57 X6.4@807.09,442.91
USB_DET: R22.2 R25.1 U1.16 | length 292.5
  Top Layer w4: R22.2@322.83,-462.13 R25.1@365.08,-462.13 ; U1.16@344.49,-222.44 344.49,-277.49 370.08,-303.08 R25.1@370.08,-462.13
USB_N: U1.44 X8.A7 X8.B7 | length 265.6
  Top Layer w5: U1.44@127.95,222.44 128.98,223.46 128.98,278.98 v1(130,280)
  Bottom Layer w5: X8.B7@45.28,348.43 45.28,304.72 70,280 85,280 ; X8.A7@84.65,348.43 84.65,280.35 85,280 ; v1(130,280) 85,280
USB_P: U1.45 X8.A6 X8.B6 | length 242
  Top Layer w5: v1(105,300) 106.77,298.23 106.77,223.94 U1.45@108.27,222.44
  Bottom Layer w5: X8.A6@64.96,348.43 64.96,384.96 70,390 95,390 105,380 105,348.43 104.67,348.09 104.67,300.33 v1(105,300)
V_BAT: D3.A R9.1 U1.11 | length 1029
  Top Layer w5: U1.11@246.06,-222.44 246.06,-177.94 v1(258,-166) ; v1(447,-190) 459,-202 526,-202 550,-178 550,21 691,162 714,162 750.82,198.82 866.14,198.82 D3.A@866.14,204.72
  Top Layer w10: D3.A@866.14,204.72 871.42,210 R9.1@920,210
  Bottom Layer w5: v1(258,-166) 423,-166 v1(447,-190)
V_PYRO1: D6_CH1.A R18_CH1.1 U1.8 | length 831.2
  Top Layer w5: v1(178,-173) 187.01,-182.01 U1.8@187.01,-222.44
  Top Layer w8: R18_CH1.1@-591.87,582.94 -540.61,582.94 D6_CH1.A@-531.87,591.68
  Bottom Layer w5: -490,-281 -488,-283 -183,-283 -73,-173 v1(178,-173)
V_PYRO2: D6_CH2.A R18_CH2.1 U1.9 | length 859.9
  Top Layer w5: v1(206,-171) 206.35,-171.35 206.35,-222.09 U1.9@206.69,-222.44
  Top Layer w8: R18_CH2.1@-494.35,-65.59 -494.35,-116.85 D6_CH2.A@-485.61,-125.59
  Bottom Layer w5: -488,-293 -172,-293 -68.36,-189.36 187.64,-189.36 v1(206,-171)
V_PYRO3: D6_CH3.A R18_CH3.1 U1.10 | length 906.8
  Top Layer w5: U1.10@226.38,-222.44 227.68,-221.14 227.68,-163.32 v1(229,-162)
  Top Layer w8: D6_CH3.A@-944.41,-611.1 -935.67,-602.36 R18_CH3.1@-884.41,-602.36
  Bottom Layer w5: -488,-304 -164,-304 -59,-199 202,-199 226.57,-174.43 226.57,-164.43 v1(229,-162)
VBAT: C15.2 C16.2 C19.2 C22.2 D5_CH1.A D5_CH2.A D5_CH3.A Q4.D Q5.D R7.2 U2.8 U3.8 U4.2 U4.3 | length 1080.2
  Top Layer w10: 1120,90.55 1120,160 ; 1125.68,218 Q5.D@1156.32,218 ; 1125.86,244.29 Q5.D@1156.5,244.29 1158.39,242.4 1167.24,242.4 1167.24,222.52 Q5.D@1171.85,217.91 ; U3.8@1141.73,285.43 1141.65,285.35 1125.86,285.35 1120,279.5 1120,238.43 1120,184.14 ; Q5.D@1156.5,190 1125.86,190 1120,184.14 ; Q5.D@1159.53,163.27 1123.27,163.27 1120,160 ; C15.2@1168.66,-74.8 C16.2@1168.66,2.66 ; 1120,160 1120,184.14
  Top Layer w20: D5_CH2.A@-735.3,93.15 D5_CH2.A@-653.41,93.15 ; D5_CH3.A@-613.25,-242.91 D5_CH3.A@-531.36,-242.91 ; D5_CH1.A@-603.94,431.7 D5_CH1.A@-522.05,431.7 ; U4.2@1070.87,-9.84 1123,-9.84 ; U4.3@1070.87,27.56 1111.28,27.56 1123,15.84 1123,-9.84 ; R7.2@1077.24,161.42 1077.24,100.24 C22.2@1067.56,90.55 1120,90.55 1160.79,90.55 C19.2@1168.66,82.68 ; C16.2@1168.66,2.66 1156.16,-9.84 1123,-9.84
VBUS: C28.2 R12.2 R22.1 U5.6 X8.A4B9 X8.B4A9 | length 528
  Top Layer w5: R12.2@-184,318 -182,320 v1(-182,351)
  Top Layer w7.87: U5.6@899.61,-359.25 900.59,-358.27 952.76,-358.27 980.32,-385.83 1059.06,-385.83 1066.93,-377.95 C28.2@1066.93,-355.83
  Bottom Layer w5: v1(-182,351) -182,380 -129,433 -41.94,433 -13.84,404.9 -13.84,354.27 X8.A4B9@-19.69,348.43
pads on no net: LS1.NC Q7_CH1.5 Q7_CH2.5 Q7_CH3.5 U1.24 U1.25 U2.6 U2.7 U2.PAD U3.6 U3.7 U3.PAD U5.1 U5.2 U6.4 U7.5 U8.PAD U9_U_CATS-FAT-IMU1.6 U9_U_CATS-FAT-IMU1.7 U9_U_CATS-FAT-IMU2.6 U9_U_CATS-FAT-IMU2.7 U11.2 U11.3 U11.9 U12.3 U12.6 U12.7 U12.8 U12.12 U12.14 U12.15 X3.NC X6.NC X7.6 X7.NC X8.A8 X8.B8 X8.NC

## Silkscreen, mask and mechanical layers (free items; w line width, h text height)
Mechanical 1:
  lines w6: -1956.14,-612.83 ccw(c-1916.77,-612.83) -1916.77,-652.2 -1315.59,-652.2 1676.54,-652.2 1941.5,-652.2 ccw(c1941.5,-612.83) 1980.87,-612.83 1980.87,607.64 ccw(c1941.5,607.64) 1941.5,647.01 1676.54,647.01 -1315.59,647.01 -1916.77,647.01 ccw(c-1916.77,607.64) -1956.14,607.64 -1956.14,-612.83